# Altium PCB ControlBoard.PcbDoc (part 2 of 3)
Units mm, origin at the board's own origin, x right, y up, seen from the top; angles counter-clockwise.
Board outline 230 x 120 mm, 4 copper layers (Top Layer, GND, PWR, Bottom Layer), stack 0.778 mm thick; 165 components, 126 nets, 587 pads, 792 vias.
Unrouted connection lines stored in the file: 3.
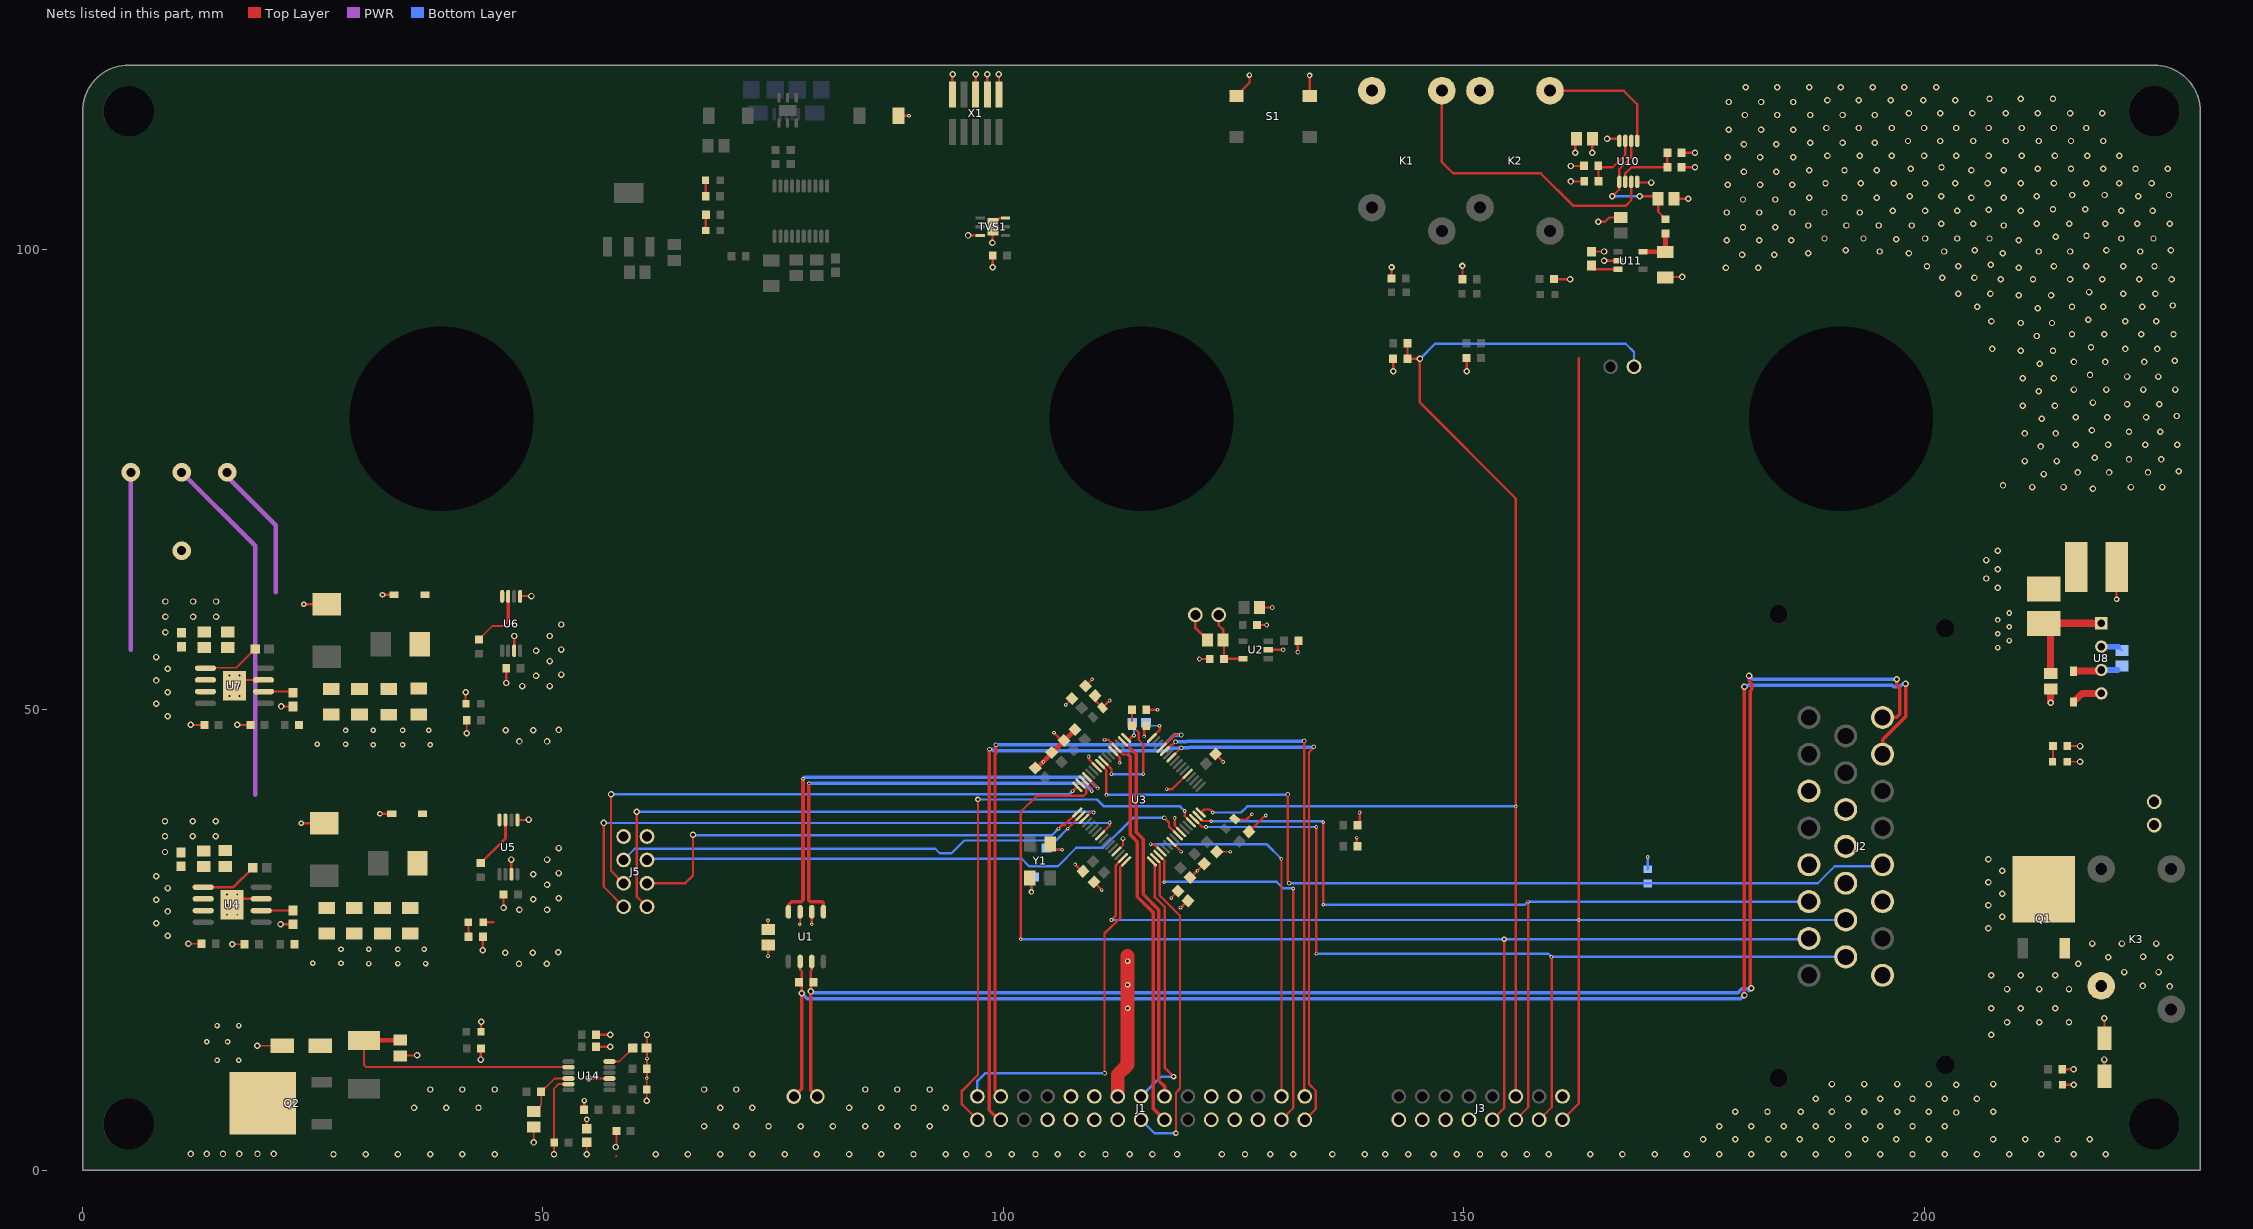
[diagram p4: the nets of this part, all layers, seen from the top]

## Part data (continued)
R30: library part 0603-3KR, "RES SMD 3K OHM 5% 1/10W 0603", Case/Package=0603, Case Code (Metric)=1608, Manufacturer=Yageo, Manufacturer Part Number=RC0603JR-073KL, Max Operating Temperature=155°C, Max Power Dissipation=100mW, Min Operating Temperature=-55°C, Package Quantity=1, Resistance=3kR, Resistance Tolerance=5%, Resistor Type="Thick Film", Supplier Part Number 1=311-3.0KGRCT-ND, Temperature Coefficient=100ppm/°C, Voltage Rating=75V, Voltage Rating (DC)=50V, Case Code (Imperial)=0603, ComponentLink1Description=http://www.yageo.com/documents/recent/PYu-RC_Group_51_RoHS_L_10.pdf?src-supplier=Digi-Key, ComponentLink1URL=http://www.yageo.com/documents/recent/PYu-RC_Group_51_RoHS_L_10.pdf?src-supplier=Digi-Key, ComponentLink2Description=http://www.yageo.com/documents/recent/PYu-RC_Group_51_RoHS_L_9.pdf?src-supplier=Digi-Key, ComponentLink2URL=http://www.yageo.com/documents/recent/PYu-RC_Group_51_RoHS_L_9.pdf?src-supplier=Digi-Key, Construction=Rectangular, Depth=0.8mm, Features="Moisture Resistant", Height=0.022inch, Lead Free="Lead Free", Length=1.6mm, Military Standard=Not, Number of Pins=2, Number of Terminations=2, Packaging="Tape and Reel", Power Rating=100mW, Pricing 1="1=0.1, 10=0.02, 100=0.008, 1000=0.0036, 2500=0.00312 (USD)", REACH SVHC="No SVHC", RoHS Compliant=Yes, Series=RC, Size Code=0603, Stock 1=239018, Supplier 1=Digi-Key, Termination=SMD/SMT, Tolerance=5%, Weight=7.1E-05oz, Width=0.8mm
R31 R46 R54: library part 0603-5.1KR, "RES SMD 5.1K OHM 1% 1/10W 0603", Case/Package=0805, Manufacturer="TE Connectivity", Manufacturer Part Number=1623257-1, Max Operating Temperature=125°C, Max Power Dissipation=125mW, Min Operating Temperature=-55°C, Package Quantity=5000, Resistance=5.1kR, Resistor Type="Thick Film", Supplier Part Number 1=YAG3621CT-ND, Temperature Coefficient=100ppm/°C, Tolerance=1%, ComponentLink1Description=http://www.te.com/commerce/DocumentDelivery/DDEController?Action=showdoc&DocId=Data+Sheet%7F1773204%7FF%7Fpdf%7FEnglish%7FENG_DS_1773204_F.pdf&src-supplier=Avnet+Europe, ComponentLink1URL=http://www.te.com/commerce/DocumentDelivery/DDEController?Action=showdoc&DocId=Data+Sheet%7F1773204%7FF%7Fpdf%7FEnglish%7FENG_DS_1773204_F.pdf&src-supplier=Avnet+Europe, ComponentLink2Description=http://www.te.com/commerce/DocumentDelivery/DDEController?Action=srchrtrv&DocNm=1773204&DocType=DS&DocLang=English&src-supplier=Digi-Key, ComponentLink2URL=http://www.te.com/commerce/DocumentDelivery/DDEController?Action=srchrtrv&DocNm=1773204&DocType=DS&DocLang=English&src-supplier=Digi-Key, ComponentLink3Description=http://www.onlinecomponents.com/productFiles/mf-AMP/eng_ds_1773204_e.pdf?src-supplier=Onlinecomponents.com, ComponentLink3URL=http://www.onlinecomponents.com/productFiles/mf-AMP/eng_ds_1773204_e.pdf?src-supplier=Onlinecomponents.com, Construction=Rectangular, Depth=1.25mm, Height=0.026inch, Length=2mm, Military Standard=Not, Mount="Surface Mount", Number of Terminations=2, Packaging="Tape and Reel", Power Rating=125mW, Radiation Hardening=No, RoHS Compliant=Yes, Series="CRG, Neohm", Supplier 1=Digi-Key, Width=0.049inch
R32: library part 0603-499KR, "RES 499K OHM 1% 1/10W 0603", Case/Package=SMD/SMT, Manufacturer=Vishay, Manufacturer Part Number=CRCW0603499KFKEAC, Max Operating Temperature=155°C, Min Operating Temperature=-55°C, Power Rating=100mW, Resistance=499kR, Resistor Type="Thick Film", Supplier Part Number 1=541-5445-1-ND, Temperature Coefficient=100ppm/°C, Tolerance=1%, Contact Plating=Tin, Lead Free="Lead Free", Length=1.55mm, Mount="Surface Mount", Pricing 1="1=0.1, 10=0.036, 100=0.0145, 1000=0.00652, 2500=0.00566 (USD)", RoHS Compliant=Yes, Stock 1=35351, Supplier 1=Digi-Key, Termination=Wraparound
R34 R35: library part 0603-270R, "RES SMD 270 OHM 0.5% 1/10W 0603", Case/Package=0603, Case Code (Metric)=1608, Manufacturer=Yageo, Manufacturer Part Number=RT0603DRE07270RL, Max Operating Temperature=155°C, Max Power Dissipation=100mW, Min Operating Temperature=-55°C, Package Quantity=5000, Resistor Type="Thin Film", Supplier Part Number 1=311-2504-1-ND, Temperature Coefficient=50ppm/°C, Tolerance=0.5%, Voltage Rating=75V, Voltage Rating (DC)=50V, Case Code (Imperial)=0603, ComponentLink1Description=http://www.yageo.com/NewPortal/yageodocoutput?fileName=/pdf/R-Chip/PYu-RT_1-to-0.05_RoHS_L_5.pdf&src-supplier=Digi-Key, ComponentLink1URL=http://www.yageo.com/NewPortal/yageodocoutput?fileName=/pdf/R-Chip/PYu-RT_1-to-0.05_RoHS_L_5.pdf&src-supplier=Digi-Key, Features="Moisture Resistant", Height=0.022inch, Lead Free="Lead Free", Length=0.063inch, Number of Terminations=2, Packaging="Tape and Reel", Power Rating=100mW, Pricing 1="1=0.1, 10=0.092, 100=0.0352, 1000=0.01549, 2500=0.01338 (USD)", Resistance=270R, RoHS Compliant=Yes, Series=RT, Stock 1=5811, Supplier 1=Digi-Key, Termination=SMD/SMT, Width=0.031inch
R36 R37: library part 0603-27R, "RES SMD 27 OHM 5% 1/10W 0603", Case/Package=0603, Case Code (Metric)=1608, Manufacturer=Panasonic, Manufacturer Part Number=ERJ-3GEYJ270V, Max Operating Temperature=155°C, Max Power Dissipation=100mW, Min Operating Temperature=-55°C, Package Quantity=5000, Resistance Tolerance=5%, Resistor Type="Thick Film", Supplier Part Number 1=P27GCT-ND, Temperature Coefficient=200ppm/°C, Voltage Rating=75V, Voltage Rating (DC)=50V, Case Code (Imperial)=0603, ComponentLink1Description=http://www.jameco.com/Jameco/Products/ProdDS/1988663.pdf?src-supplier=Jameco, ComponentLink1URL=http://www.jameco.com/Jameco/Products/ProdDS/1988663.pdf?src-supplier=Jameco, ComponentLink2Description=http://www.farnell.com/datasheets/1500035.pdf?src-supplier=Element14, ComponentLink2URL=http://www.farnell.com/datasheets/1500035.pdf?src-supplier=Element14, ComponentLink3Description=http://www.farnell.com/datasheets/1678796.pdf?src-supplier=Element14, ComponentLink3URL=http://www.farnell.com/datasheets/1678796.pdf?src-supplier=Element14, ComponentLink4Description=https://www.alliedelec.com/m/d/51cd0790071e1666bdb9d00c57fcf960.pdf?src-supplier=Allied+Electronics, ComponentLink4URL=https://www.alliedelec.com/m/d/51cd0790071e1666bdb9d00c57fcf960.pdf?src-supplier=Allied+Electronics, ComponentLink5Description=http://industrial.panasonic.com/www-data/pdf/AOA0000/AOA0000CE1.pdf?src-supplier=Avnet, ComponentLink5URL=http://industrial.panasonic.com/www-data/pdf/AOA0000/AOA0000CE1.pdf?src-supplier=Avnet, Construction=Rectangular, Contact Plating=Tin, Depth=0.8mm, Features="Automotive AEC-Q200", Height=0.45mm, Lead Free="Lead Free", Length=1.6mm, Military Standard=Not, Mount="Surface Mount", Number of Terminations=2, Packaging="Tape and Reel", Power Rating=100mW, Pricing 1="1=0.1, 10=0.037, 100=0.0151, 1000=0.0068, 2500=0.0059 (USD)", Radiation Hardening=No, REACH SVHC="No SVHC", Resistance=27R, RoHS Compliant=Yes, Series=ERJ, Stock 1=20003, Supplier 1=Digi-Key, Technology="THICK FILM", Termination=SMD/SMT, Tolerance=5%, Weight=7.1E-05oz, Width=0.031inch
R39: library part 2512-25mR-SHUNT, "RES SMD 25 MOHM 1% 2W 2512", Case/Package=2512, Case Code (Metric)=6432, Manufacturer=Riedon, Manufacturer Part Number=CSR2512A0R025F, Max Operating Temperature=170°C, Max Power Dissipation=2W, Min Operating Temperature=-55°C, Resistor Type="Metal Element", Supplier Part Number 1=696-1666-1-ND, Temperature Coefficient=50ppm/°C, Tolerance=1%, Case Code (Imperial)=2512, ComponentLink1Description=https://riedon.com/media/pdf-tech/riedon_brochure_download.pdf?src-supplier=Digi-Key, ComponentLink1URL=https://riedon.com/media/pdf-tech/riedon_brochure_download.pdf?src-supplier=Digi-Key, ComponentLink2Description=https://riedon.com/media/pdf/CSR.pdf?src-supplier=Digi-Key, ComponentLink2URL=https://riedon.com/media/pdf/CSR.pdf?src-supplier=Digi-Key, Height=0.035inch, Length=0.252inch, Number of Terminations=2, Packaging="Tape and Reel", Pricing 1="1=0.63, 10=0.525, 25=0.45, 50=0.405, 100=0.3525, 250=0.315, 500=0.255, 1000=0.20625 (USD)", Resistance=25mR, Stock 1=10830, Supplier 1=Digi-Key, Width=0.126inch
R40: library part 0603-10R, "RES SMD 10 OHM 1% 1/10W 0603", Case/Package=0603, Case Code (Metric)=1608, Manufacturer=Yageo, Manufacturer Part Number=RC0603FR-0710RL, Max Operating Temperature=155°C, Min Operating Temperature=-55°C, Power Rating=100mW, Supplier Part Number 1=311-10.0HRDKR-ND, Temperature Coefficient=200ppm/°C, Tolerance=1%, Voltage Rating=50V, Case Code (Imperial)=0603, ComponentLink1Description=http://www.farnell.com/datasheets/1868787.pdf?src-supplier=Element14, ComponentLink1URL=http://www.farnell.com/datasheets/1868787.pdf?src-supplier=Element14, ComponentLink2Description=http://www.yageo.com/documents/recent/PYu-RC0603_51_RoHS_L_4.pdf?src-supplier=Avnet, ComponentLink2URL=http://www.yageo.com/documents/recent/PYu-RC0603_51_RoHS_L_4.pdf?src-supplier=Avnet, ComponentLink3Description=http://documents.rs-components.com/techlib://itc_doclist_GB.htm?stockno=5048984&src-supplier=RSComponents, ComponentLink3URL=http://documents.rs-components.com/techlib://itc_doclist_GB.htm?stockno=5048984&src-supplier=RSComponents, ComponentLink4Description=http://www.yageo.com/documents/recent/PYu-RC0603_51_RoHS_L_4.pdf?src-supplier=Avnet+Europe, ComponentLink4URL=http://www.yageo.com/documents/recent/PYu-RC0603_51_RoHS_L_4.pdf?src-supplier=Avnet+Europe, Composition="Thick Film", Contact Plating=Tin,Matte, Depth=0.8mm, Height=0.45mm, Lead Free="Lead Free", Length=1.6mm, Military Standard=Not, Number of Pins=2, Packaging="Tape and Reel", Pricing 1="1=0.1, 10=0.046, 100=0.0187, 1000=0.0084, 2500=0.00729 (USD)", Radiation Hardening=No, REACH SVHC="No SVHC", Resistance=10R, Stock 1=11151092, Supplier 1=Digi-Key, Termination=SMD/SMT, Voltage Rating (DC)=50V, Width=0.8mm
R43: library part 0603-200KR, "RES SMD 200K OHM 1% 1/10W 0603", Case/Package=0603, Manufacturer=Yageo, Manufacturer Part Number=AF0603FR-07200KL, Max Operating Temperature=155°C, Max Power Dissipation=100mW, Min Operating Temperature=-55°C, Resistance=200kR, Resistor Type="Thick Film", Supplier Part Number 1=13-AF0603FR-07200KLDKR-ND, Temperature Coefficient=100ppm/°C, Tolerance=1%, ComponentLink1Description=http://www.yageo.com/documents/recent/PYu-AF_51_RoHS_L_5.pdf?src-supplier=Digi-Key, ComponentLink1URL=http://www.yageo.com/documents/recent/PYu-AF_51_RoHS_L_5.pdf?src-supplier=Digi-Key, Features="Moisture Resistant,Anti-Sulfur", Height=0.022inch, Length=0.063inch, Number of Terminations=2, Packaging="Tape and Reel", Pricing 1="1=0.1, 10=0.061, 100=0.0247, 1000=0.01109, 2500=0.00963 (USD)", RoHS Compliant=Yes, Stock 1=4721, Supplier 1=Digi-Key, Width=0.031inch
R47: library part 0603-7K5, "RES SMD 7.5K OHM 5% 1/10W 0603", Case/Package=0603, Case Code (Metric)=1608, Manufacturer=Yageo, Manufacturer Part Number=RC0603JR-077K5L, Max Operating Temperature=155°C, Max Power Dissipation=100mW, Min Operating Temperature=-55°C, Package Quantity=5000, Resistance=7.5kR, Resistance Tolerance=5%, Resistor Type="Thick Film", Supplier Part Number 1=311-7.5KGRCT-ND, Temperature Coefficient=100ppm/°C, Voltage Rating=50V, Case Code (Imperial)=0603, ComponentLink1Description=http://www.mouser.com/catalog/specsheets/RC0603.pdf?src-supplier=Mouser, ComponentLink1URL=http://www.mouser.com/catalog/specsheets/RC0603.pdf?src-supplier=Mouser, Construction=Rectangular, Depth=0.8mm, Features="Moisture Resistant", Height=0.45mm, Lead Free="Lead Free", Length=1.6mm, Military Standard=Not, Number of Pins=2, Number of Terminations=2, Packaging="Tape and Reel", Power Rating=100mW, Pricing 1="1=0.1, 10=0.02, 100=0.008, 1000=0.0036, 2500=0.00312 (USD)", REACH SVHC=Unknown, RoHS Compliant=Yes, Series=RC, Size Code=0603, Stock 1=191420, Supplier 1=Digi-Key, Termination=SMD/SMT, Tolerance=5%, Voltage Rating (DC)=50V, Width=0.8mm
R49: library part 0603-20K, "RES SMD 20K OHM 5% 1/10W 0603", Case/Package=0603, Case Code (Metric)=1608, Manufacturer=Yageo, Manufacturer Part Number=RC0603JR-0720KL, Max Operating Temperature=155°C, Max Power Dissipation=100mW, Min Operating Temperature=-55°C, Package Quantity=1, Resistance=20kR, Resistance Tolerance=5%, Resistor Type="Thick Film", Supplier Part Number 1=311-20KGRCT-ND, Temperature Coefficient=100ppm/°C, Voltage Rating=50V, Case Code (Imperial)=0603, ComponentLink1Description=http://www.farnell.com/datasheets/443971.pdf?src-supplier=Element14, ComponentLink1URL=http://www.farnell.com/datasheets/443971.pdf?src-supplier=Element14, ComponentLink2Description=http://www.yageo.com/documents/recent/PYu-RC_Group_51_RoHS_L_10.pdf?src-supplier=Digi-Key, ComponentLink2URL=http://www.yageo.com/documents/recent/PYu-RC_Group_51_RoHS_L_10.pdf?src-supplier=Digi-Key, Construction=Rectangular, Depth=0.8mm, Features="Moisture Resistant", Height=0.022inch, Lead Free="Lead Free", Length=0.063inch, Military Standard=Not, Number of Pins=2, Number of Terminations=2, Packaging="Tape and Reel", Power Rating=100mW, Pricing 1="1=0.1, 10=0.02, 100=0.008, 1000=0.0036, 2500=0.00312 (USD)", REACH SVHC="No SVHC", RoHS Compliant=Yes, Series=RC, Size Code=0603, Stock 1=1558181, Supplier 1=Digi-Key, Termination=SMD/SMT, Tolerance=5%, Voltage Rating (DC)=50V, Width=0.031inch
S1: "SWITCH TACTILE SPST-NO 0.05A 12V", Case/Package=SMD/SMT, Colour=Black, Contact Resistance=100mR, Current Rating=50mA, Manufacturer="ITT C&K", Max Operating Temperature=60°C, Max Voltage Rating (DC)=12V, Min Operating Temperature=-20°C, Operating Force=160gf, Package Quantity=1000, Supplier Part Number 1=CKN9112CT-ND, Actuator Length=0.85mm, Actuator Material=Nylon,Polyamide, ComponentLink1Description=https://datasheet.ciiva.com/29903/getdatasheetpartid-786341-29903846.pdf, ComponentLink1URL=https://datasheet.ciiva.com/29903/getdatasheetpartid-786341-29903846.pdf, ComponentLink2Description=https://datasheet.ciiva.com/14920/pts645-14920733.pdf, ComponentLink2URL=https://datasheet.ciiva.com/14920/pts645-14920733.pdf, ComponentLink3Description=https://datasheet.ciiva.com/14920/pts645-14920734.pdf, ComponentLink3URL=https://datasheet.ciiva.com/14920/pts645-14920734.pdf, ComponentLink4Description=https://datasheet.ciiva.com/14920/pts645-14920735.pdf, ComponentLink4URL=https://datasheet.ciiva.com/14920/pts645-14920735.pdf, ComponentLink5Description=https://datasheet.ciiva.com/29931/getdatasheetpartid-764615-29931183.pdf, ComponentLink5URL=https://datasheet.ciiva.com/29931/getdatasheetpartid-764615-29931183.pdf, Contact Material=Silver, Contact Plating=Silver, Depth=9mm, Illumination Type=Non-Illuminated,Illuminated, Lead Free="Lead Free", Length=6mm, Manufacturer Part Number=PTS645SM43SMTR92LFS, Max Current Rating=50mA, Mechanical Life=100000Cycles, Mount="Surface Mount", Orientation=Straight, Packaging="Tape and Reel", Pricing 1="1=0.16, 10=0.157, 25=0.1516, 50=0.1462, 100=0.1381, 250=0.13, 500=0.1245 (USD)", REACH SVHC="No SVHC", Stock 1=188827, Supplier 1=Digi-Key, Switch Function=Off-Mom, Termination="Gull Wing", Throw Configuration=SPST, Voltage Rating (DC)=12V
TVS1 TVS2: "TVS DIODE 5.5V 6SON", Capacitance=1.5pF, Clamping Voltage=105.5V, Leakage Current=1nA, Manufacturer="Texas Instruments", Manufacturer Part Number=TPD4E001DRSR, Max Operating Temperature=85°C, Max Power Dissipation=100W, Min Breakdown Voltage=11V, Min Operating Temperature=-40°C, Operating Supply Voltage=5.5V, Package Quantity=1000, Peak Pulse Current=5.5A, Power Line Protection=Yes, Supplier Part Number 1=296-22852-1-ND, Test Current=10mA, ComponentLink1Description=http://www.ti.com/lit/ds/symlink/tpd4e001.pdf?src-supplier=Digi-Key, ComponentLink1URL=http://www.ti.com/lit/ds/symlink/tpd4e001.pdf?src-supplier=Digi-Key, ComponentLink2Description=https://www.verical.com/server-webapp/html/getDatasheet?partID=143410&src-supplier=Verical, ComponentLink2URL=https://www.verical.com/server-webapp/html/getDatasheet?partID=143410&src-supplier=Verical, ComponentLink3Description=http://focus.ti.com/lit/ds/symlink/tpd4e001.pdf?src-supplier=Avnet+Europe, ComponentLink3URL=http://focus.ti.com/lit/ds/symlink/tpd4e001.pdf?src-supplier=Avnet+Europe, Depth=3mm, Direction=Unidirectional, ESD Protection=Yes, Height=0.75mm, Interface=LVDS,USB,Ethernet, Lead Free="Lead Free", Length=3mm, Max Reverse Leakage Current=1nA, Number of Bidirectional Channels=4, Number of Channels=4, Number of Pins=6, Packaging="Tape and Reel", Peak Pulse Power=100W, Pricing 1="1=0.67, 10=0.576, 100=0.4304, 500=0.33814 (USD)", Radiation Hardening=No, REACH SVHC="No SVHC", Reverse Standoff Voltage=5.5V, Stock 1=16747, Supplier 1=Digi-Key, Termination=SMD/SMT, Width=3.15mm, Working Voltage=5.5V
TVS3: library part SMAJ18CA-TR-Bi, "TVS DIODE 18VWM 39.3VC SMA", Breakdown Voltage=21.1V, Capacitance=800pF, Case/Package=SMA, Clamping Voltage=39.3V, Leakage Current=200nA, Manufacturer=STMicroelectronics, Manufacturer Part Number=SMAJ18CA-TR, Max Operating Temperature=150°C, Max Power Dissipation=3.3W, Max Surge Current=13.7A, Min Breakdown Voltage=20V, Min Operating Temperature=-55°C, Operating Supply Voltage=18V, Package Quantity=1, Peak Pulse Current=59A, Peak Pulse Power=400W, Power Line Protection=No, Resistor Type=Zener, Supplier Part Number 1=497-7446-1-ND, Test Current=1mA, Clamping Voltage-Max=39.3V, ComponentLink1Description=http://www.farnell.com/datasheets/1724007.pdf?src-supplier=Element14, ComponentLink1URL=http://www.farnell.com/datasheets/1724007.pdf?src-supplier=Element14, ComponentLink2Description=http://www.st.com/content/ccc/resource/technical/document/datasheet/ff/c0/80/cc/19/4c/45/af/CD00001333.pdf/files/CD00001333.pdf/_jcr_content/translations/en.CD00001333.pdf?src-supplier=Digi-Key, ComponentLink2URL=http://www.st.com/content/ccc/resource/technical/document/datasheet/ff/c0/80/cc/19/4c/45/af/CD00001333.pdf/files/CD00001333.pdf/_jcr_content/translations/en.CD00001333.pdf?src-supplier=Digi-Key, ComponentLink3Description=http://www.mouser.com/ds/2/389/smaj-955168.pdf?src-supplier=Mouser, ComponentLink3URL=http://www.mouser.com/ds/2/389/smaj-955168.pdf?src-supplier=Mouser, ComponentLink4Description=http://www.st.com/web/en/resource/technical/document/datasheet/CD00001333.pdf?src-supplier=Future+Electronics, ComponentLink4URL=http://www.st.com/web/en/resource/technical/document/datasheet/CD00001333.pdf?src-supplier=Future+Electronics, ComponentLink5Description=https://www.verical.com/server-webapp/html/getDatasheet?partID=83400&src-supplier=Verical, ComponentLink5URL=https://www.verical.com/server-webapp/html/getDatasheet?partID=83400&src-supplier=Verical, ComponentLink6Description=http://www.produktinfo.conrad.com/datenblaetter/1100000-1199999/001184239-da-01-en-TRANSIL_400W_18_SMAJ18CA_TR_DO_214AC_STM.pdf?src-supplier=Conrad, ComponentLink6URL=http://www.produktinfo.conrad.com/datenblaetter/1100000-1199999/001184239-da-01-en-TRANSIL_400W_18_SMAJ18CA_TR_DO_214AC_STM.pdf?src-supplier=Conrad, Diode Type=ZENER, Direction=Bidirectional, Element Configuration=Single, ESD Protection=Yes, Height=2.45mm, Lead Free="Lead Free", Length=4.6mm, Max Breakdown Voltage=21.1V, Max Reverse Leakage Current=200nA, Mount="Surface Mount", Number of Bidirectional Channels=1, Number of Channels=1, Number of Elements=1, Number of Pins=2, Packaging="Tape and Reel", Polarity=Bidirectional, Power Dissipation=400W, Pricing 1="1=0.38, 10=0.311, 100=0.2117, 500=0.15874, 1000=0.11906, 2000=0.1092 (USD)", Radiation Hardening=No, REACH SVHC="No SVHC", Reverse Breakdown Voltage=20V, Reverse Standoff Voltage=18V, RoHS Compliant=Yes, Series="SMAJ, TRANSIL™", Stock 1=8232, Supplier 1=Digi-Key, Termination=SMD/SMT, Voltage Rating (DC)=18V, Width=2.9mm
U1: "IC TRANSCEIVER 1/1 8SOIC", Case/Package=SOIC, Manufacturer="Texas Instruments", Max Operating Temperature=125°C, Max Supply Voltage=3.6V, Min Operating Temperature=-40°C, Min Supply Voltage=3V, Supplier Part Number 1=296-43711-1-ND, ComponentLink1Description=http://www.ti.com/general/docs/lit/getliterature.tsp?genericPartNumber=TCAN332&amp;&amp;fileType=pdf&src-supplier=Farnell, ComponentLink1URL=http://www.ti.com/general/docs/lit/getliterature.tsp?genericPartNumber=TCAN332&amp;&amp;fileType=pdf&src-supplier=Farnell, ComponentLink2Description=http://www.ti.com/general/docs/lit/getliterature.tsp?genericPartNumber=TCAN332&&fileType=pdf&src-supplier=Element14, ComponentLink2URL=http://www.ti.com/general/docs/lit/getliterature.tsp?genericPartNumber=TCAN332&&fileType=pdf&src-supplier=Element14, ComponentLink3Description=http://www.ti.com/lit/ds/symlink/tcan332.pdf?src-supplier=Digi-Key, ComponentLink3URL=http://www.ti.com/lit/ds/symlink/tcan332.pdf?src-supplier=Digi-Key, ComponentLink4Description=http://www.ti.com/lit/gpn/tcan332?src-supplier=Mouser, ComponentLink4URL=http://www.ti.com/lit/gpn/tcan332?src-supplier=Mouser, Data Rate=1Mbps, Lead Free="Lead Free", Manufacturer Part Number=TCAN332DR, Mount="Surface Mount", Number of Pins=8, Number of Receive Buffers=1, Number of Transmit Buffers=1, Packaging="Cut Tape", Pricing 1="1=2.57, 10=2.312, 25=2.1808, 100=1.8582, 250=1.74476, 500=1.52666, 1000=1.44025 (USD)", REACH SVHC="No SVHC", Receiver Hysteresis=120mV, RoHS Compliant=Yes, Stock 1=31835, Supplier 1=Digi-Key
U2: "IC WDT CIRCUIT SOT323-5", Case/Package=SC, Manufacturer=STMicroelectronics, Max Operating Temperature=125°C, Max Power Dissipation=320mW, Max Supply Voltage=5.5V, Min Operating Temperature=-40°C, Min Supply Voltage=2.7V, Nominal Supply Current=13uA, Number of Voltages Monitored=1, Supplier Part Number 1=497-13372-1-ND, ComponentLink1Description=http://www.st.com/content/ccc/resource/sales_and_marketing/promotional_material/flyer/52/2d/7f/6c/74/bb/43/70/flcarefree1213.pdf/files/flcarefree1213.pdf/jcr:content/translations/en.flcarefree1213.pdf?src-supplier=Digi-Key, ComponentLink1URL=http://www.st.com/content/ccc/resource/sales_and_marketing/promotional_material/flyer/52/2d/7f/6c/74/bb/43/70/flcarefree1213.pdf/files/flcarefree1213.pdf/jcr:content/translations/en.flcarefree1213.pdf?src-supplier=Digi-Key, ComponentLink2Description=http://www.st.com/content/ccc/resource/technical/document/datasheet/06/6a/b3/83/9a/c7/4f/22/CD00176077.pdf/files/CD00176077.pdf/jcr:content/translations/en.CD00176077.pdf?src-supplier=Digi-Key, ComponentLink2URL=http://www.st.com/content/ccc/resource/technical/document/datasheet/06/6a/b3/83/9a/c7/4f/22/CD00176077.pdf/files/CD00176077.pdf/jcr:content/translations/en.CD00176077.pdf?src-supplier=Digi-Key, ComponentLink3Description=http://www.st.com/web/en/resource/technical/document/datasheet/CD00176077.pdf?src-supplier=Future+Electronics, ComponentLink3URL=http://www.st.com/web/en/resource/technical/document/datasheet/CD00176077.pdf?src-supplier=Future+Electronics, ComponentLink4Description=http://www.produktinfo.conrad.com/datenblaetter/1100000-1199999/001184854-da-01-en-IC_CIRCU_STWD100PYW83F_SOT_323_5_STM.pdf?src-supplier=Conrad, ComponentLink4URL=http://www.produktinfo.conrad.com/datenblaetter/1100000-1199999/001184854-da-01-en-IC_CIRCU_STWD100PYW83F_SOT_323_5_STM.pdf?src-supplier=Conrad, Height=1mm, Lead Free="Lead Free", Length=2.2mm, Manufacturer Part Number=STWD100PYW83F, Mount="Surface Mount", Number of Pins=5, Number of Timers/Counters=1, Output=TOTEM-POLE, Package Quantity=1, Packaging="Tape and Reel", Pricing 1="1=0.87, 10=0.763, 25=0.7164, 100=0.5846, 250=0.543, 500=0.46214, 1000=0.38148 (USD)", REACH SVHC="No SVHC", Reset="Active Low", Reset Timeout=1.12s, RoHS Compliant=Yes, Series=-, Stock 1=10672, Supplier 1=Digi-Key, Supply Current=13uA, Type="Watchdog Circuit", Weight=0.000705oz, Width=1.35mm
U3: library part TMS320F280049, "IC MCU 32BIT 256KB FLASH 64LQFP", Case/Package=LQFP, Frequency=100MHz, Manufacturer="Texas Instruments", Manufacturer Part Number=F280049CPMS, Max Operating Temperature=125°C, Min Operating Temperature=-40°C, Supplier Part Number 1=595-F280049CPMS, ComponentLink1Description=http://www.ti.com/lit/pdf/sprui33?src-supplier=Digi-Key, ComponentLink1URL=http://www.ti.com/lit/pdf/sprui33?src-supplier=Digi-Key, Interface=I2C,SPI,UART,USART,SCI, Memory Size=256KB, Memory Type=FLASH, Number of I/Os=26, Number of UART Channels=2, Oscillator Type=Internal, Packaging=Tray, Peripherals="Brown-out Detect/Reset,POR,PWM,WDT", Pricing 1="1=10.7, 10=9.68, 50=9.23, 100=8.01, 1000=6.07, 10000=6.07 (USD)", RoHS Compliant=Yes, Stock 1=0, Supplier 1=Mouser
U4 U7: "IC REG BUCK ADJUSTABLE 5A 8SOPWR", Case/Package=SOIC, Manufacturer="Texas Instruments", Max Input Voltage=40V, Max Operating Temperature=125°C, Max Output Voltage=28V, Min Input Voltage=4V, Min Operating Temperature=-40°C, Min Output Voltage=800mV, Output Current=5A, Quiescent Current=40uA, Supplier Part Number 1=296-43402-1-ND, Switching Frequency=2.5MHz, ComponentLink1Description=http://www.ti.com/lit/ds/symlink/lmr14050-q1.pdf?src-supplier=Digi-Key, ComponentLink1URL=http://www.ti.com/lit/ds/symlink/lmr14050-q1.pdf?src-supplier=Digi-Key, ComponentLink2Description=http://www.ti.com/general/docs/suppproductinfo.tsp?distId=10&amp;gotoUrl=http%3A%2F%2Fwww.ti.com%2Flit%2Fgpn%2Flmr14050-q1&src-supplier=Digi-Key, ComponentLink2URL=http://www.ti.com/general/docs/suppproductinfo.tsp?distId=10&amp;gotoUrl=http%3A%2F%2Fwww.ti.com%2Flit%2Fgpn%2Flmr14050-q1&src-supplier=Digi-Key, ComponentLink3Description=http://www.ti.com/lit/gpn/lmr14050-q1?src-supplier=Mouser, ComponentLink3URL=http://www.ti.com/lit/gpn/lmr14050-q1?src-supplier=Mouser, Lead Free="Lead Free", Manufacturer Part Number=LMR14050SSQDDARQ1, Mount="Surface Mount", Number of Outputs=1, Output Configuration=Positive, Output Type=Adjustable, Packaging="Tape and Reel", Pricing 1="1=3.5, 10=3.143, 25=2.9716, 100=2.5755, 250=2.4434, 500=2.19246, 1000=2.08082 (USD)", RoHS Compliant=Yes, Stock 1=3564, Supplier 1=Digi-Key, Synchronous Rectifier=No
U5 U6: "IC OR CTRLR SRC SELECT 8TSSOP", Case/Package=TSSOP, Current - Output 2=1.25A, Manufacturer="Texas Instruments", Max Input Voltage=5.5V, Max Operating Temperature=85°C, Max Power Dissipation=387mW, Min Input Voltage=2.8V, Min Operating Temperature=-40°C, On-State Resistance=84mR, Operating Supply Current=55uA, Output Voltage=6V, Package Quantity=2000, Supplier Part Number 1=296-16940-1-ND, ComponentLink1Description=http://www.ti.com/lit/ds/symlink/tps2115a.pdf?src-supplier=Newark, ComponentLink1URL=http://www.ti.com/lit/ds/symlink/tps2115a.pdf?src-supplier=Newark, ComponentLink2Description=http://www.ti.com/lit/ds/symlink/tps2114a.pdf?src-supplier=Digi-Key, ComponentLink2URL=http://www.ti.com/lit/ds/symlink/tps2114a.pdf?src-supplier=Digi-Key, ComponentLink3Description=http://www.ti.com/general/docs/lit/getliterature.tsp?genericPartNumber=TPS2115A&&fileType=pdf&src-supplier=Avnet, ComponentLink3URL=http://www.ti.com/general/docs/lit/getliterature.tsp?genericPartNumber=TPS2115A&&fileType=pdf&src-supplier=Avnet, ComponentLink4Description=https://www.verical.com/server-webapp/html/getDatasheet?partID=237877&src-supplier=Verical, ComponentLink4URL=https://www.verical.com/server-webapp/html/getDatasheet?partID=237877&src-supplier=Verical, Lead Free="Lead Free", Manufacturer Part Number=TPS2115APWR, Max Output Current=1.25A, Number of Inputs=2, Number of Outputs=1, Number of Pins=8, Operating Supply Voltage=5.5V, Output Current=1.25A, Packaging="Tape and Reel", Pricing 1="1=2.48, 10=2.225, 25=2.0988, 100=1.7882, 250=1.67904, 500=1.46916, 1000=1.32264 (USD)", Radiation Hardening=No, REACH SVHC="No SVHC", RoHS Compliant=Yes, Series=TPS2115A, Stock 1=19599, Supplier 1=Digi-Key, Turn-Off Delay Time=5ms, Turn-On Delay Time=1ms, Weight=0.001376oz
U8: "Module DC-DC 5VIN 1-OUT 5V 0.2A 1W 4-Pin SIP Tube", Case/Package=SIP, Current - Output 1=200mA, Isolation Voltage=1kV, Manufacturer=Recom, Max Input Voltage=5.5V, Max Operating Temperature=85°C, Max Output Power=1W, Max Output Voltage=5V, Min Input Voltage=4.5V, Min Operating Temperature=-40°C, Package Quantity=42, Supplier Part Number 1=945-1655-5-ND, ComponentLink1Description=http://www.farnell.com/datasheets/2787770.pdf?src-supplier=Element14, ComponentLink1URL=http://www.farnell.com/datasheets/2787770.pdf?src-supplier=Element14, ComponentLink2Description=http://uk.rs-online.com/webdocs/1373/0900766b81373201.pdf?src-supplier=RSComponents, ComponentLink2URL=http://uk.rs-online.com/webdocs/1373/0900766b81373201.pdf?src-supplier=RSComponents, ComponentLink3Description=http://www.mouser.com/ds/2/468/ROE-766139.pdf?src-supplier=Mouser, ComponentLink3URL=http://www.mouser.com/ds/2/468/ROE-766139.pdf?src-supplier=Mouser, ComponentLink4Description=https://www.recom-power.com/pdf/Econoline/ROE.pdf?src-supplier=Digi-Key, ComponentLink4URL=https://www.recom-power.com/pdf/Econoline/ROE.pdf?src-supplier=Digi-Key, ComponentLink5Description=http://www.recom-international.com/pdf/Econoline/ROE.pdf?src-supplier=Future+Electronics, ComponentLink5URL=http://www.recom-international.com/pdf/Econoline/ROE.pdf?src-supplier=Future+Electronics, ComponentLink6Description=http://www.produktinfo.conrad.com/datenblaetter/675000-699999/676228-da-01-en-DC_DC_WANDLER_ROE_0505S.pdf?src-supplier=Conrad, ComponentLink6URL=http://www.produktinfo.conrad.com/datenblaetter/675000-699999/676228-da-01-en-DC_DC_WANDLER_ROE_0505S.pdf?src-supplier=Conrad, Depth=6mm, Efficiency=75%, Height=10mm, Isolation=Isolated, Lead Free="Lead Free", Length=11.5mm, Manufacturer Part Number=ROE-0505S, Max Input Voltage (DC)=5.5V, Max Output Current=200mA, Max Power Dissipation=1W, Min Input Voltage (DC)=4.5V, Mount="Through Hole", Nominal Input Voltage=5V, Nominal Output Voltage=5V, Number of Outputs=1, Number of Pins=4, Output Current=200mA, Output Power=1W, Output Voltage=5V, Packaging=Rail/Tube, Power Rating=1W, Pricing 1="1=2.86, 5=2.822, 10=2.782, 25=2.6996, 50=2.618, 100=2.5361, 250=2.45432, 500=2.29068 (USD)", REACH SVHC="No SVHC", RoHS Compliant=Yes, Series=ROE, Stock 1=9959, Supplier 1=Digi-Key, Voltage - Output 1=5V, Weight=1.4g, Width=6mm
U10: library part Compare-TLV3202AIDGK, "IC COMPAR PWR RRI DL PP 8VSSOP", Case/Package=VSSOP, Input Bias Current=50pA, Input Offset Voltage (Vos)=5mV, Manufacturer="Texas Instruments", Max Operating Temperature=125°C, Max Supply Current=40uA, Max Supply Voltage=5.5V, Min Operating Temperature=-40°C, Min Supply Voltage=2.7V, Nominal Supply Current=50uA, Package Quantity=80, Power Supply Rejection Ratio (PSRR)=85dB, Supplier Part Number 1=296-34992-ND, Common Mode Rejection Ratio=70dB, ComponentLink1Description=http://www.ti.com/lit/gpn/tlv3202?src-supplier=Mouser, ComponentLink1URL=http://www.ti.com/lit/gpn/tlv3202?src-supplier=Mouser, ComponentLink2Description=http://www.farnell.com/datasheets/1882110.pdf?src-supplier=Element14, ComponentLink2URL=http://www.farnell.com/datasheets/1882110.pdf?src-supplier=Element14, Height=0.95mm, Hysteresis=1.2mV, Lead Free="Lead Free", Length=3.1mm, Manufacturer Part Number=TLV3202AIDGK, Max Input Current=50pA, Mount="Surface Mount", Number of Channels=2, Number of Elements=2, Number of Pins=8, Packaging=Rail/Tube, Pricing 1="1=1.77, 10=1.59, 25=1.5, 100=1.2, 250=1.05, 500=1.02, 1000=0.81, 2500=0.78, 5000=0.75 (USD)", Propagation Delay=50ns, Quiescent Current=50uA, Radiation Hardening=No, REACH SVHC="No SVHC", Response Time=0.047us, Stock 1=6035, Supplier 1=Digi-Key, Type="General Purpose", Width=3.1mm
U11: library part TAR5S50TE85LF, "IC REG LINEAR 5V 200MA SMV", Manufacturer=Toshiba, Max Input Voltage=15V, Max Operating Temperature=85°C, Max Power Dissipation=380mW, Min Input Voltage=5.2V, Min Operating Temperature=-40°C, Output Voltage=5V, Quiescent Current=850uA, Supplier Part Number 1=TAR5S50TE85LFCT-ND, ComponentLink1Description=http://www.semicon.toshiba.co.jp/info/docget.jsp?type=datasheet&lang=en&pid=TAR5S15&src-supplier=Avnet, ComponentLink1URL=http://www.semicon.toshiba.co.jp/info/docget.jsp?type=datasheet&lang=en&pid=TAR5S15&src-supplier=Avnet, ComponentLink2Description=https://toshiba.semicon-storage.com/info/docget.jsp?did=766&amp;prodName=TAR5S40&src-supplier=Digi-Key, ComponentLink2URL=https://toshiba.semicon-storage.com/info/docget.jsp?did=766&amp;prodName=TAR5S40&src-supplier=Digi-Key, ComponentLink3Description=https://toshiba.semicon-storage.com/info/docget.jsp?did=766&prodName=TAR5S40&src-supplier=Digi-Key, ComponentLink3URL=https://toshiba.semicon-storage.com/info/docget.jsp?did=766&prodName=TAR5S40&src-supplier=Digi-Key, Manufacturer Part Number=TAR5S50TE85LF, Max Output Current=200mA, Mount="Surface Mount", Number of Outputs=1, Number of Pins=5, Output Type=Fixed, Polarity=Positive, Pricing 1="1=0.45, 10=0.386, 25=0.36, 100=0.2879, 250=0.26732, 500=0.2262, 1000=0.17479 (USD)", Radiation Hardening=No, Stock 1=5950, Supplier 1=Digi-Key
U12: "IC REG LINEAR 3.3V 1A SOT223", Case/Package=TO-261-4, Dropout Voltage=1.2V, Manufacturer=Diodes, Max Operating Temperature=125°C, Min Current Limit=1A, Min Operating Temperature=-40°C, Output Current=800mA, Output Voltage=3.3V, Supplier Part Number 1=AZ1117IH-3.3TRG1DICT-ND, ComponentLink1Description=https://www.diodes.com/assets/Datasheets/AZ1117I.pdf?src-supplier=Digi-Key, ComponentLink1URL=https://www.diodes.com/assets/Datasheets/AZ1117I.pdf?src-supplier=Digi-Key, Manufacturer Part Number=AZ1117IH-3.3TRG1, Mount="Surface Mount", Number of Pins=3, Number of Regulators=1, Packaging="Tape and Reel", Pricing 1="1=0.38, 10=0.305, 25=0.2796, 100=0.2079, 250=0.18844, 500=0.15594, 1000=0.11696 (USD)", RoHS Compliant=Yes, Stock 1=96644, Supplier 1=Digi-Key